# Altium PCB Base PCB.PcbDoc (part 1 of 2)
Units mm, origin at the board's own origin, x right, y up, seen from the top; angles counter-clockwise.
Board outline 85.05 x 98.92 mm, 4 copper layers (Top Layer, Middle Layer 1, Middle Layer 2, Bottom Layer), stack 0.603 mm thick; 150 components, 101 nets, 424 pads, 161 vias.
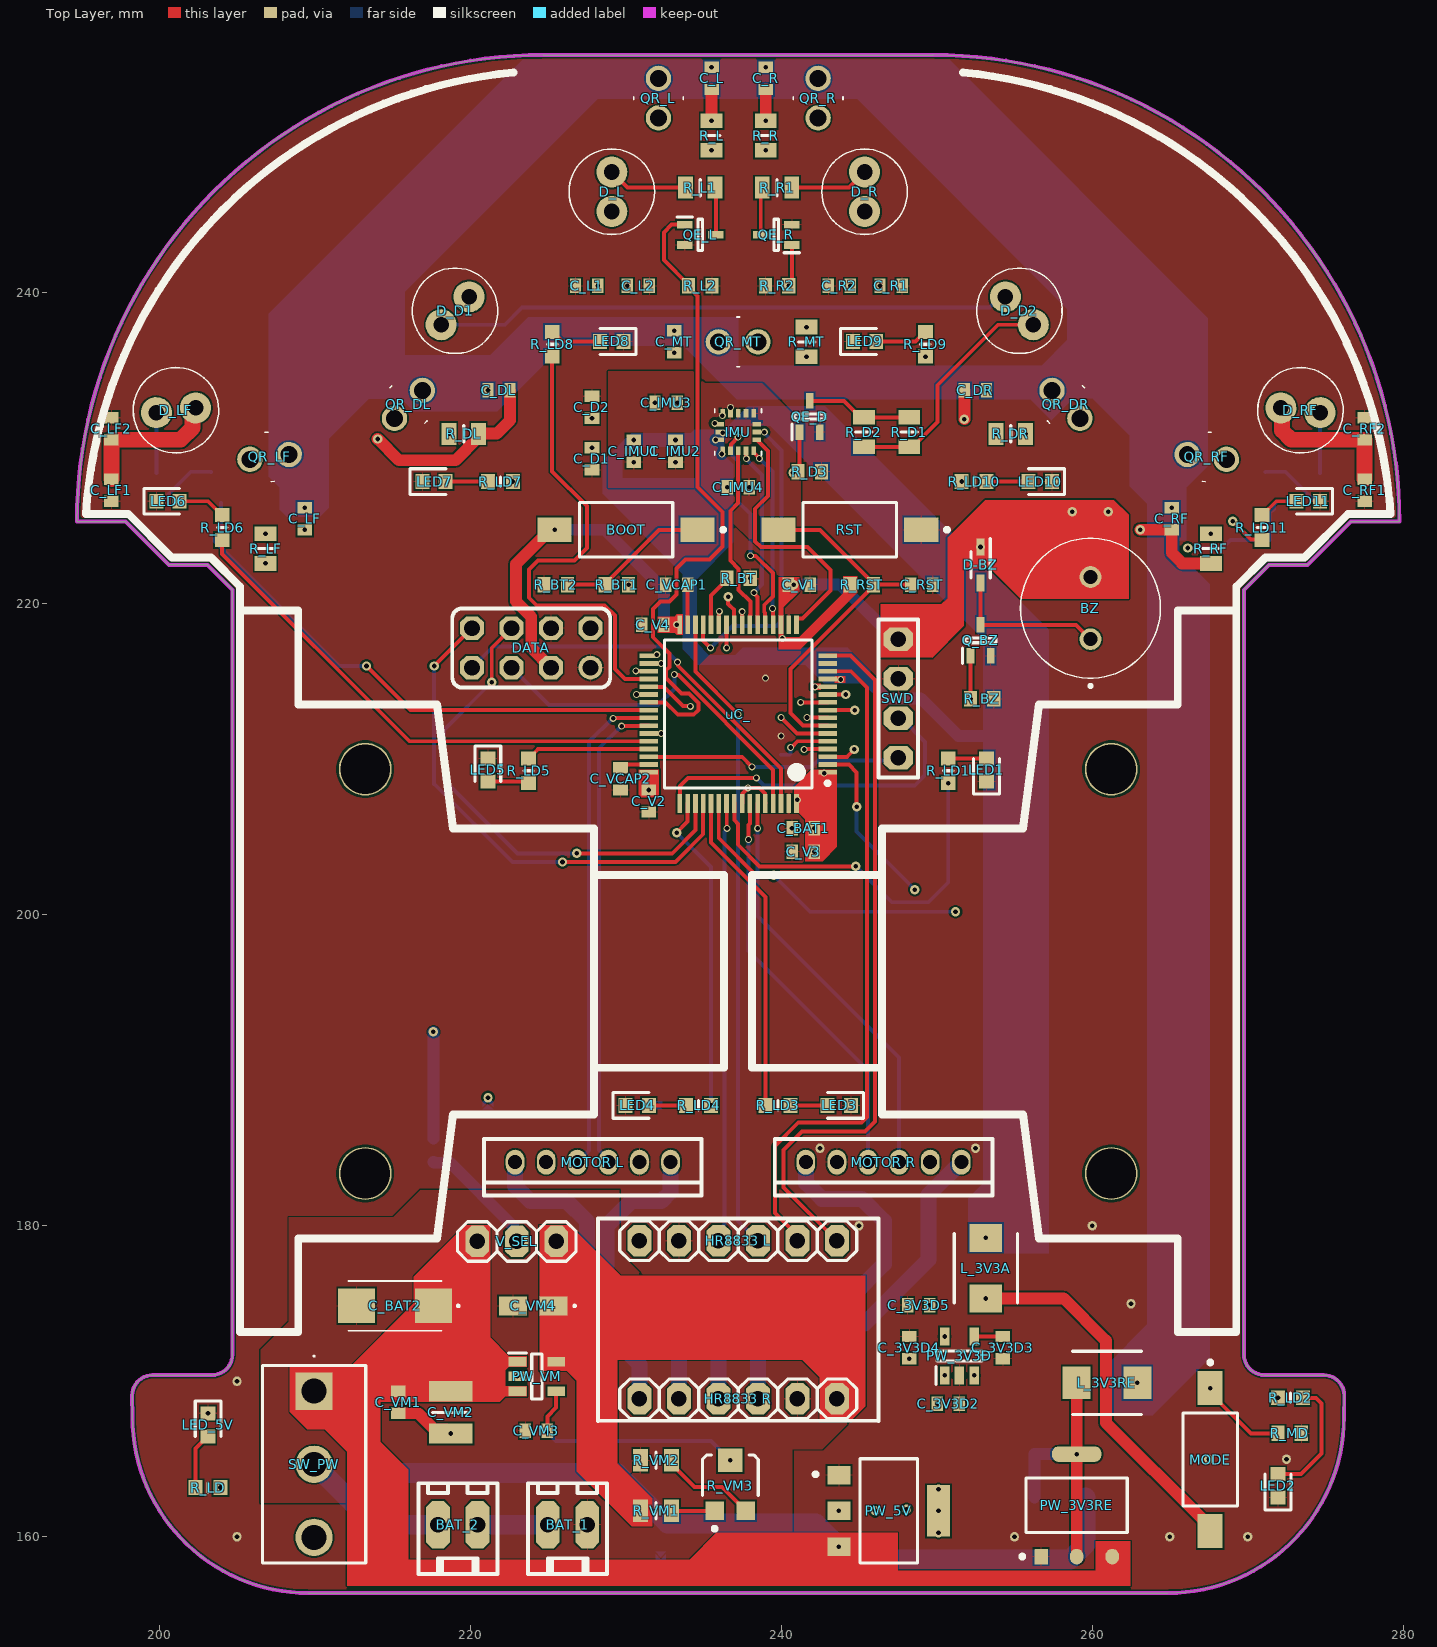
[diagram p0: Top Layer view]
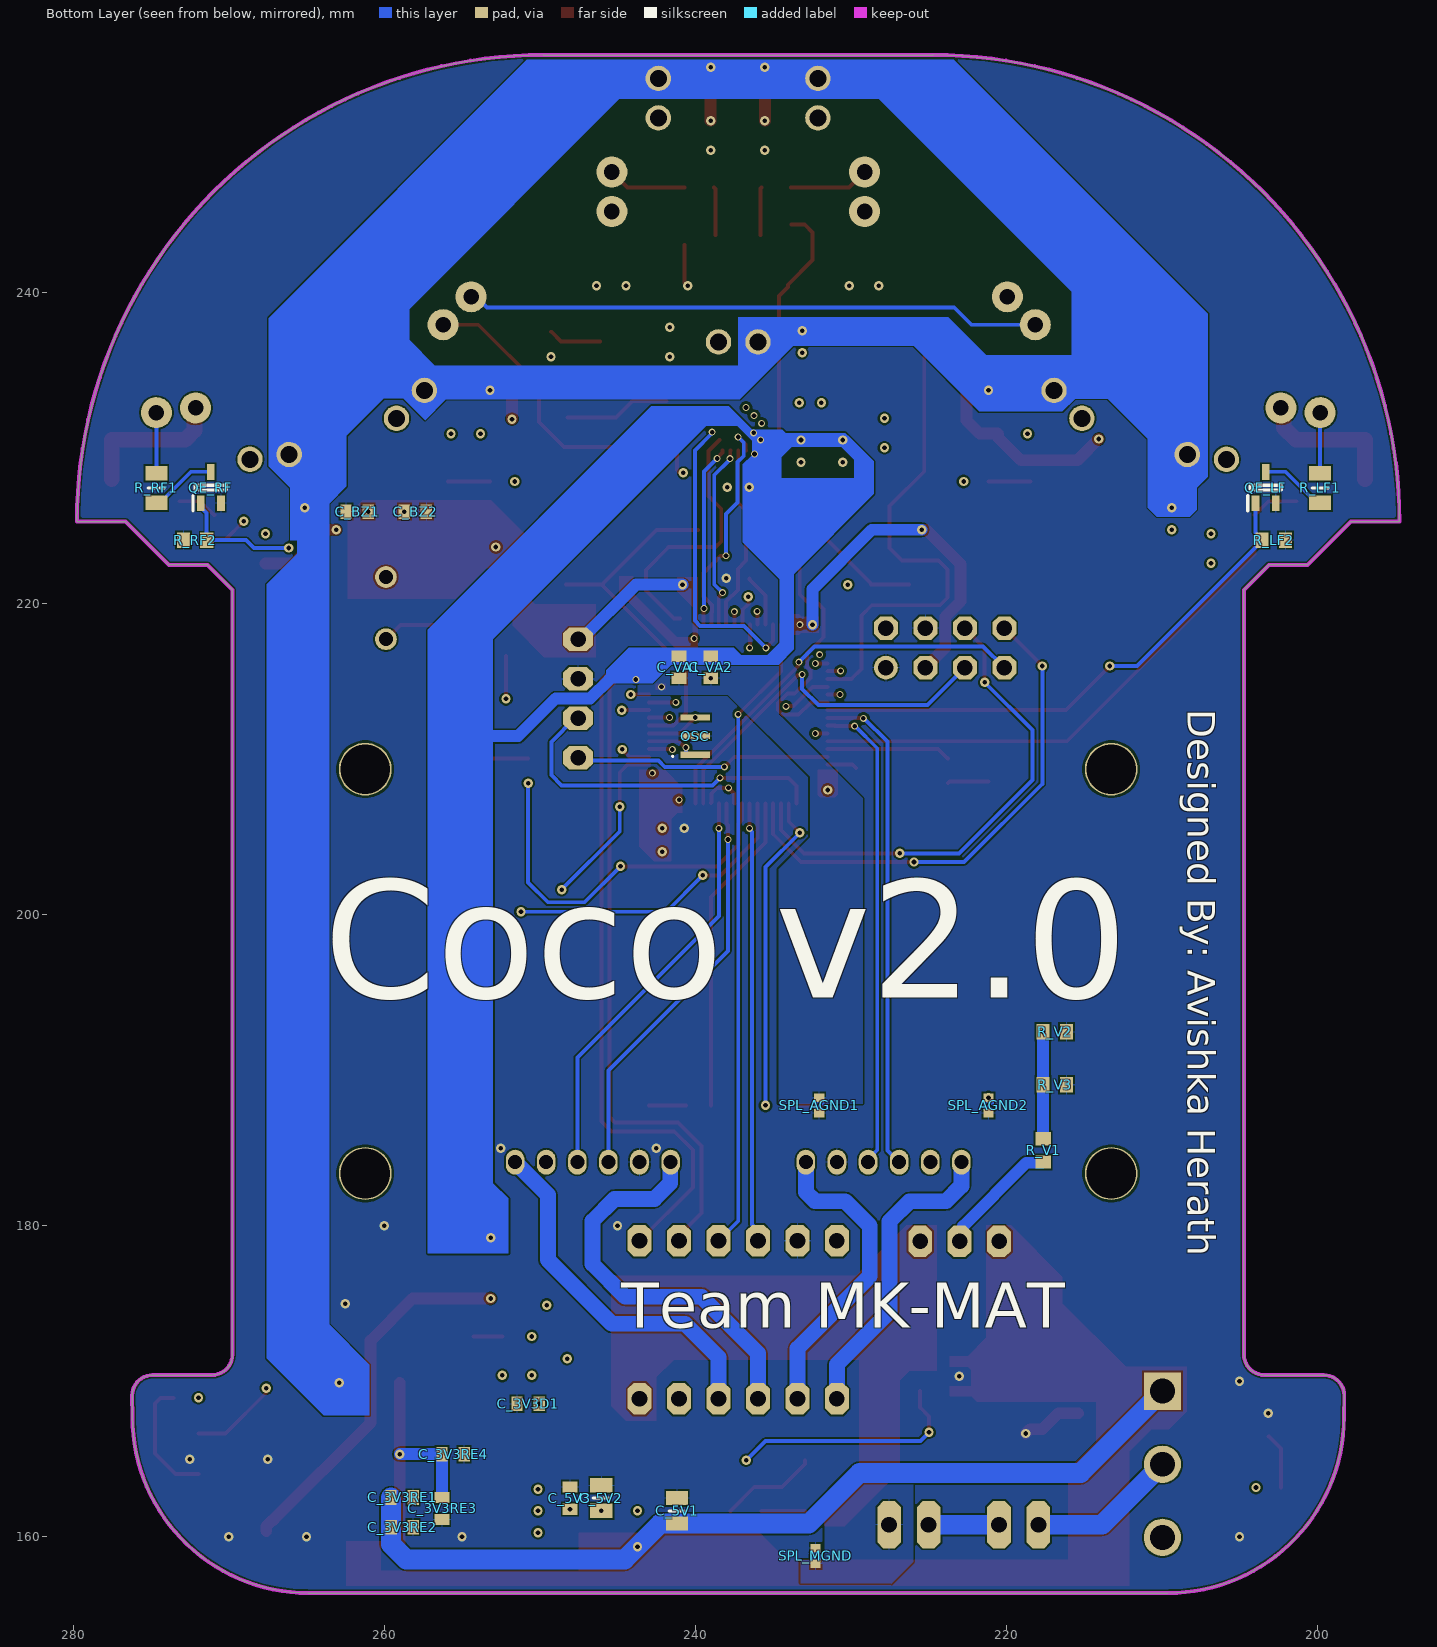
[diagram p1: Bottom Layer view, seen from below]
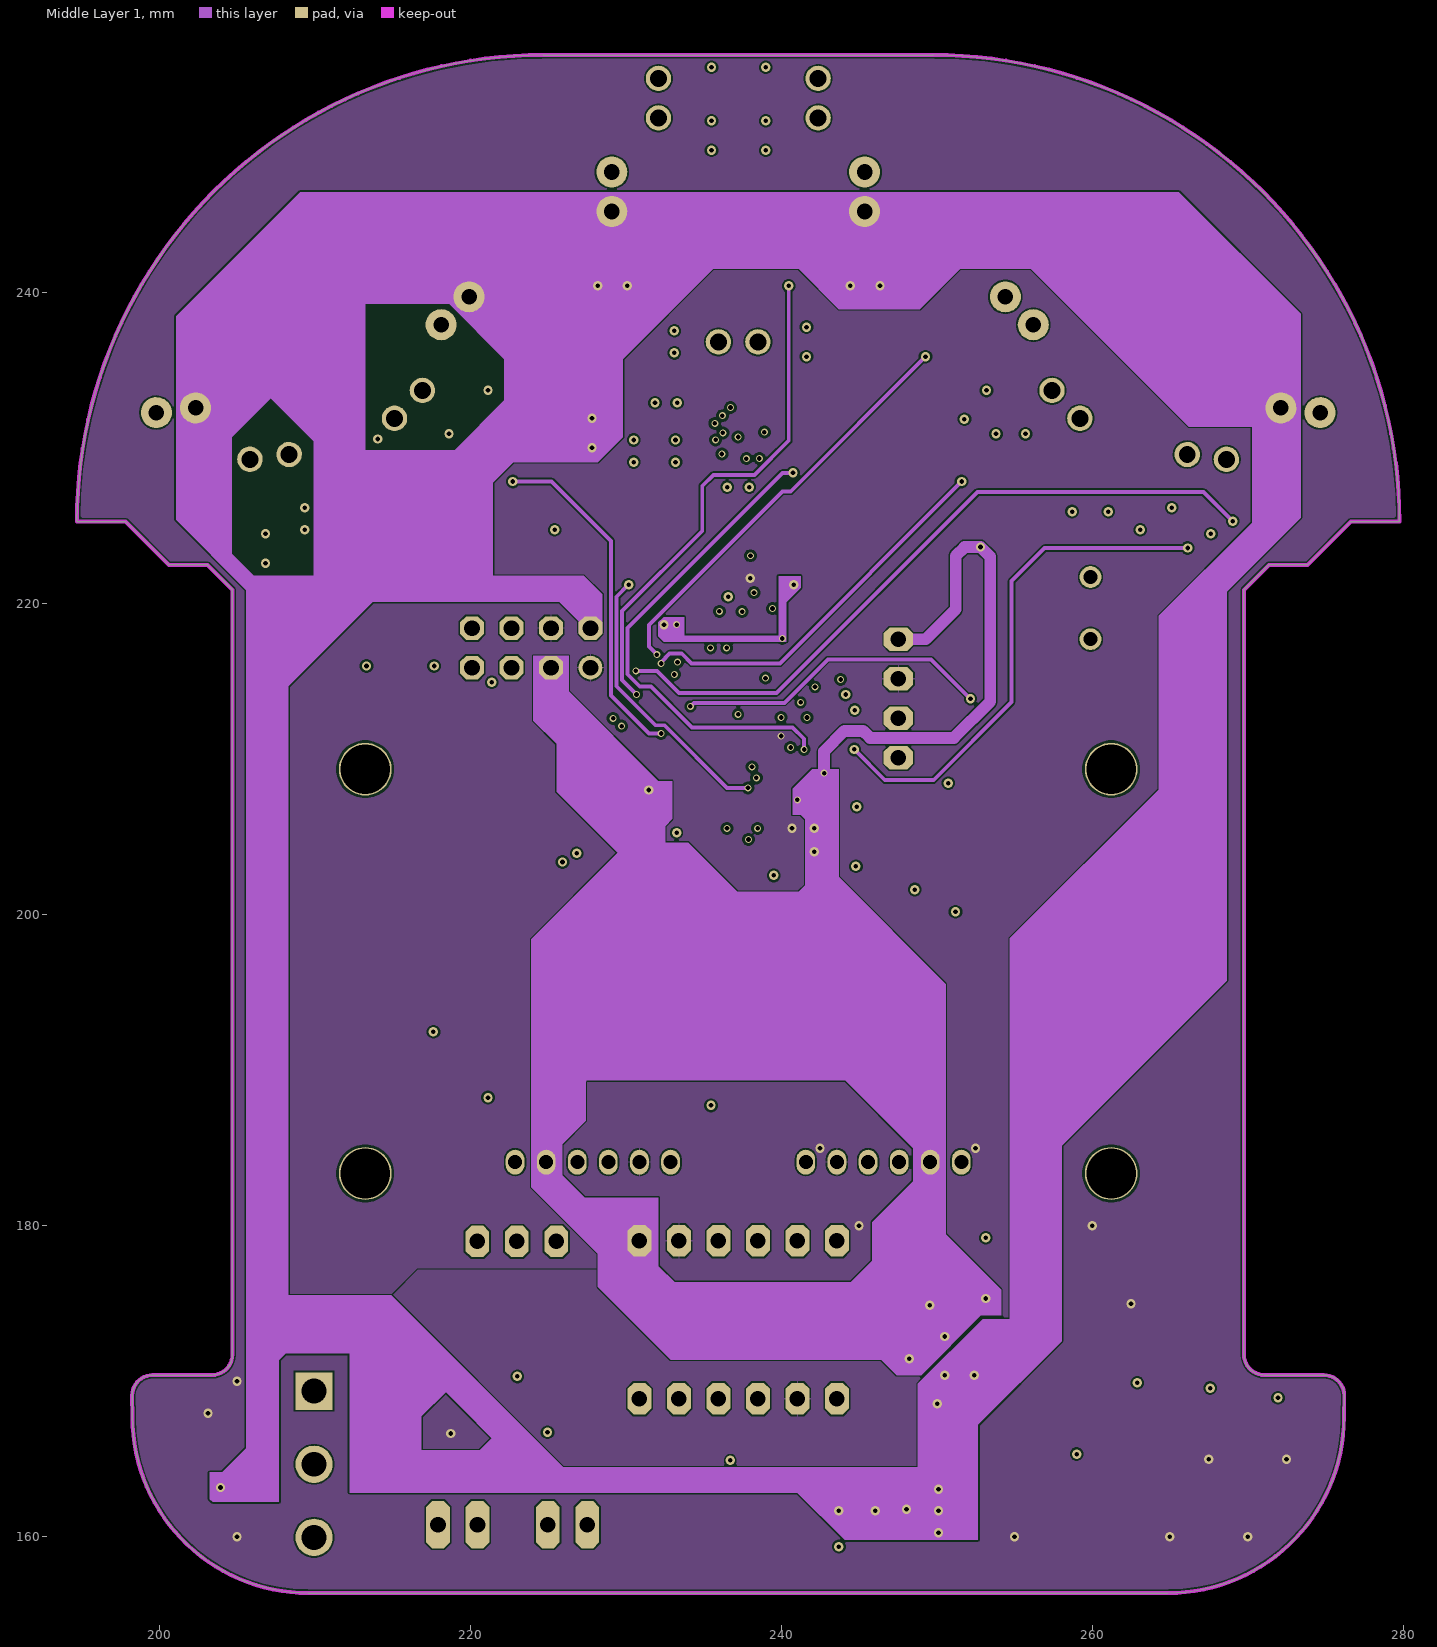
[diagram p2: Middle Layer 1]
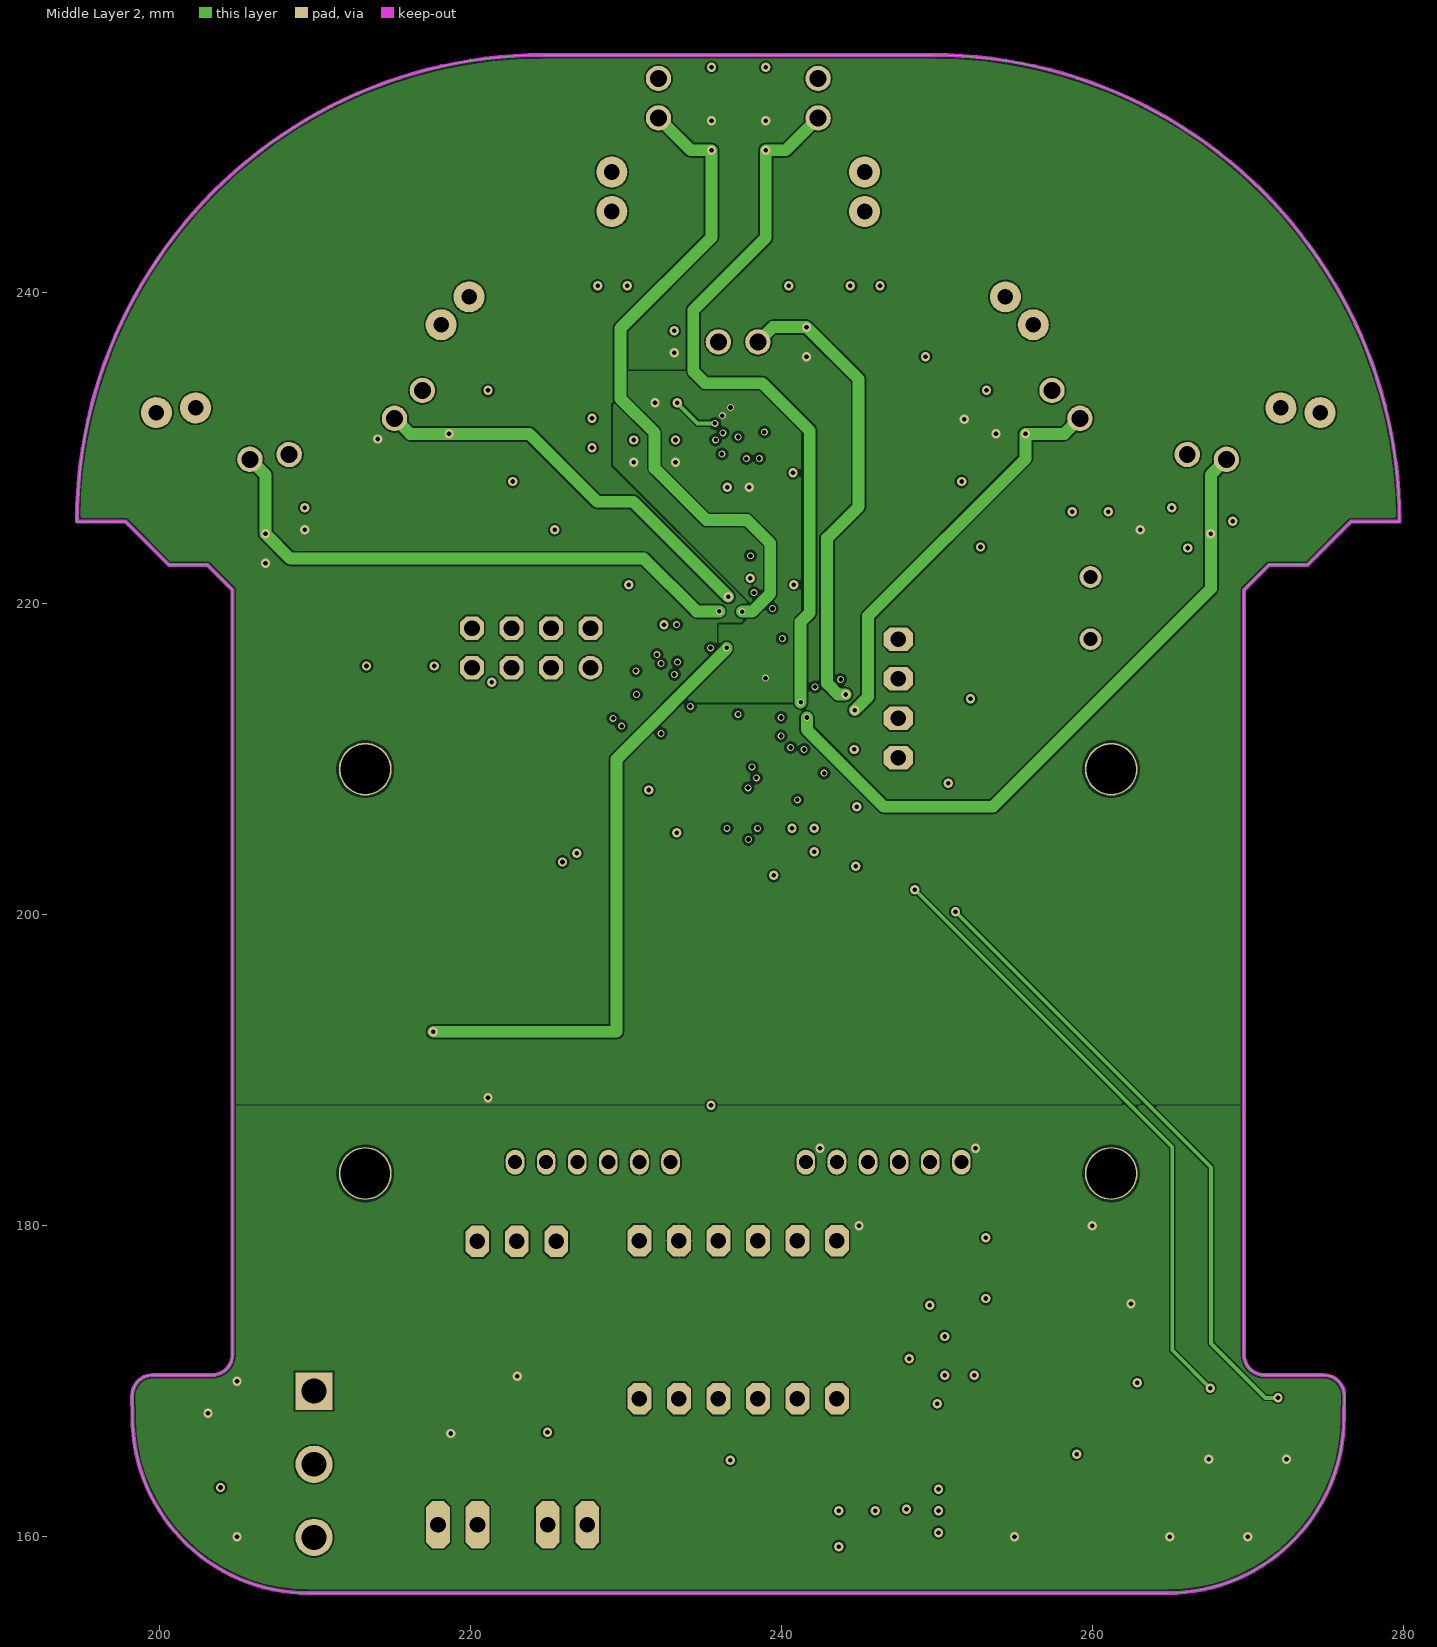
[diagram p3: Middle Layer 2]

## Layer stack, top to bottom
Top Solder: solder mask 0.0102, Solder Resist, Dk 3.5
Top Layer: signal copper 0.0356
Dielectric 2: prepreg 0.0711, PP-006, Dk 4.1
Middle Layer 1: signal copper 0.035
Dielectric 1: dielectric 0.32, FR-4, Dk 4.8
Middle Layer 2: signal copper 0.035
Dielectric 3: prepreg 0.0711, PP-006, Dk 4.1
Bottom Layer: signal copper 0.0356
Bottom Solder: solder mask 0.0102, Solder Resist, Dk 3.5

## Board outline
198.278,167.71 198.261,169.088 cw(c199.582,169.088) 199.582,170.409 203.392,170.409 ccw(c203.392,171.729) 204.712,171.729 204.711,171.729 204.711,220.905 203.112,222.504 200.623,222.504 197.829,225.298 194.716,225.298 194.711,225.303 cw(c224.711,225.303) 224.711,255.303 224.688,255.295 249.786,255.295 249.763,255.303 cw(c249.763,225.303) 279.763,225.303 279.758,225.298 276.645,225.298 273.851,222.504 271.362,222.504 269.763,220.905 269.763,171.729 269.762,171.729 ccw(c271.083,171.729) 271.083,170.409 274.893,170.409 cw(c274.893,169.088) 276.213,169.088 276.196,167.71 cw(c264.873,167.71) 264.873,156.388 237.237,156.388 209.601,156.388 cw(c209.601,167.71)

## Design rules (kind name [scope] priority, off if disabled: settings)
BoardOutlineClearance [All] p1: gap=0.2 ignorepadtopadclearanceinfootprint=FALSE
Clearance [All] p1: gap=0.102 ignorepadtopadclearanceinfootprint=FALSE except(0.127: Arc-Via Track-Via SMDPad-Via THPad-Via Via-Via Via-Fill Via-Poly Via-Region Via-Text; 0.25: Arc-Hole Track-Hole SMDPad-Hole THPad-Hole Via-Hole Fill-Hole Poly-Hole Region-Hole Text-Hole)
ComponentClearance [All] p1: gap=0.102 collisioncheckmode=3 verticalgap=0.102 showdistances=TRUE
DiffPairsRouting [All] p1: maxlimit=0.102 minlimit=0.102 mostfreqgap=0.102 toplayer_minwidth=0.102 toplayer_maxwidth=1816.048 toplayer_prefwidth=0.102 midlayer1_minwidth=0.102 midlayer1_maxwidth=1816.048 midlayer1_prefwidth=0.102 midlayer2_minwidth=0.102 midlayer2_maxwidth=1816.048 midlayer2_prefwidth=0.102 bottomlayer_minwidth=0.102 bottomlayer_maxwidth=1816.048 bottomlayer_prefwidth=0.102 maxuncoupledlength=12.7
Height [All] p1: minheight=0 maxheight=1816.048 prefheight=12.7
HoleSize [All] p1: absolutevalues=TRUE maxlimit=6.3 minlimit=0.2 maxpercent=80.000 minpercent=20.000
HoleToHoleClearance [All] p1: gap=0.25 allowstackedmicrovias=FALSE
MinimumAnnularRing [All] p1: minimumring=0.074
MinimumSolderMaskSliver [All] p1: minsoldermaskwidth=0
PlaneClearance [All] p1: clearance=0.102
PlaneConnect PlaneConnectPowerPads [InPadClass('PowerPads')] p1: planeconnectstyle=Direct reliefexpansion=0.508 reliefentries=4 reliefconductorwidth=0.254 reliefairgap=0.254
PlaneConnect [All] p2: pad.planeconnectstyle=Relief pad.reliefexpansion=0.3 pad.reliefentries=4 pad.reliefconductorwidth=0.102 pad.reliefairgap=0.102 via.planeconnectstyle=Direct via.reliefexpansion=0.3 via.reliefentries=4 via.reliefconductorwidth=0.127 via.reliefairgap=0.127
PolygonConnect PolygonConnectPowerPads [All vs (InPadClass('PowerPads'))] p1: connectstyle=Direct reliefconductorwidth=0.254 reliefentries=4 polygonreliefangle="90 Angle" airgapwidth=0.254
PolygonConnect [All] p2: thpad.connectstyle=Relief thpad.reliefconductorwidth=0.102 thpad.reliefentries=4 thpad.polygonreliefangle="90 Angle" thpad.airgapwidth=0.102 smdpad.connectstyle=Relief smdpad.reliefconductorwidth=0.102 smdpad.reliefentries=4 smdpad.polygonreliefangle="90 Angle" smdpad.airgapwidth=0.102 via.connectstyle=Direct via.reliefconductorwidth=0.127 via.reliefentries=4 via.polygonreliefangle="90 Angle" via.airgapwidth=0.127
RoutingVias [All] p1: holewidth=0.3 width=0.45 viastyle="Through Hole" minholewidth=0.3 minwidth=0.45 maxholewidth=6.3 maxwidth=6.55
SilkToSilkClearance [All] p1: silktosilkclearance=0
SilkToSolderMaskClearance [IsPad] p1: minsilkscreentomaskgap=0.102 clearancetoexposedcopper=TRUE
SolderMaskExpansion [All] p1: expansion=0.075 istentingtop=FALSE
SupplyNets "Schematic Supply Nets_12" [InNet('+VBAT')] p1: voltage=7.400
SupplyNets "Schematic Supply Nets_11" [InNet('NetBAT_2_1')] p2: voltage=7.400
SupplyNets "Schematic Supply Nets_10" [InNet('MGND')] p3: voltage=7.400
SupplyNets "Schematic Supply Nets_9" [InNet('NetBAT_1_1')] p4: voltage=7.400
SupplyNets "Schematic Supply Nets_8" [InNet('+VM')] p5: voltage=6.000
SupplyNets "Schematic Supply Nets_7" [InNet('+5V')] p6: voltage=5.000
SupplyNets "Schematic Supply Nets_6" [InNet('NetC_3V3RE3_2')] p7: voltage=3.300
SupplyNets "Schematic Supply Nets_5" [InNet('+3V3A')] p8: voltage=3.300
SupplyNets "Schematic Supply Nets_4" [InNet('+3V3D')] p9: voltage=3.300
SupplyNets "Schematic Supply Nets_3" [InNet('+3V3RE')] p10: voltage=3.300
SupplyNets "Schematic Supply Nets_2" [InNet('AGND2')] p11: voltage=0.000
SupplyNets "Schematic Supply Nets_1" [InNet('AGND1')] p12: voltage=0.000
SupplyNets "Schematic Supply Nets" [InNet('GND')] p13: voltage=0.000
Width "Schematic Width Constraint_15" [InNet('NetBAT_1_1')] p1: maxlimit=1.27 minlimit=1.27 preferedwidth=1.27
Width "Schematic Width Constraint_14" [InNet('+VBAT')] p2: maxlimit=1.27 minlimit=1.27 preferedwidth=1.27
Width "Schematic Width Constraint_13" [InNet('MGND')] p3: maxlimit=1.27 minlimit=1.27 preferedwidth=1.27
Width "Schematic Width Constraint_12" [InNet('NetBAT_2_1')] p4: maxlimit=1.27 minlimit=1.27 preferedwidth=1.27
Width "Schematic Width Constraint_11" [InNet('MOT R+')] p5: maxlimit=1.016 minlimit=1.016 preferedwidth=1.016
Width "Schematic Width Constraint_10" [InNet('MOT R-')] p6: maxlimit=1.016 minlimit=1.016 preferedwidth=1.016
Width "Schematic Width Constraint_9" [InNet('+5V')] p7: maxlimit=1.016 minlimit=1.016 preferedwidth=1.016
Width "Schematic Width Constraint_8" [InNet('+VM')] p8: maxlimit=1.016 minlimit=1.016 preferedwidth=1.016
Width "Schematic Width Constraint_7" [InNet('MOT L+')] p9: maxlimit=1.016 minlimit=1.016 preferedwidth=1.016
Width "Schematic Width Constraint_6" [InNet('MOT L-')] p10: maxlimit=1.016 minlimit=1.016 preferedwidth=1.016
Width "Schematic Width Constraint_5" [InNet('AGND2')] p11: maxlimit=0.762 minlimit=0.762 preferedwidth=0.762
Width "Schematic Width Constraint_4" [InNet('NetC_3V3RE3_2')] p12: maxlimit=0.762 minlimit=0.762 preferedwidth=0.762
Width "Schematic Width Constraint_3" [InNet('+3V3A')] p13: maxlimit=0.762 minlimit=0.762 preferedwidth=0.762
Width "Schematic Width Constraint_2" [InNet('AGND1')] p14: maxlimit=0.762 minlimit=0.762 preferedwidth=0.762
Width "Schematic Width Constraint_1" [InNet('+3V3RE')] p15: maxlimit=0.762 minlimit=0.762 preferedwidth=0.762
Width "Schematic Width Constraint" [InNet('+3V3D')] p16: maxlimit=0.762 minlimit=0.762 preferedwidth=0.762
Width [All] p17: maxlimit=1816.048 minlimit=0.102 preferedwidth=0.102
20 further rules are at their usual default settings.

## Classes and differential pairs
component class "IO Systems": BOOT BZ C_BZ1 C_BZ2 C_D1 C_D2 C_DL C_DR C_IMU1 C_IMU2 C_IMU3 C_IMU4 C_L C_L1 C_L2 C_LF C_LF1 C_LF2 C_MT C_R C_R1 C_R2 C_RF C_RF1 C_RF2 C_RST D-BZ D_D1 D_D2 D_L D_LF D_R D_RF DATA IMU LED1 LED2 LED3 LED4 LED5 LED6 LED7 LED8 LED9 LED10 LED11 MODE Q_BZ QE_D QE_L QE_LF QE_R QE_RF QR_DL QR_DR QR_L QR_LF QR_MT QR_R QR_RF R_BT1 R_BT2 R_BZ R_D1 R_D2 R_D3 R_DL R_DR R_L R_L1 R_L2 R_LD1 R_LD2 R_LD3 R_LD4 R_LD5 R_LD6 R_LD7 R_LD8 R_LD9 R_LD10 R_LD11 R_LF R_LF1 R_LF2 R_MD R_MT R_R R_R1 R_R2 R_RF R_RF1 R_RF2 R_RST RST
component class "Control Unit and Power": BAT_1 BAT_2 C_3V3D1 C_3V3D2 C_3V3D3 C_3V3D4 C_3V3D5 C_3V3RE1 C_3V3RE2 C_3V3RE3 C_3V3RE4 C_5V1 C_5V2 C_5V3 C_BAT1 C_BAT2 C_V1 C_V2 C_V3 C_V4 C_VA1 C_VA2 C_VCAP1 C_VCAP2 C_VM1 C_VM2 C_VM3 C_VM4 "HR8833 L" "HR8833 R" L_3V3A L_3V3RE LED_5V "MOTOR L" "MOTOR R" OSC PW_3V3D PW_3V3RE PW_5V PW_VM R_BT R_LD R_V1 R_V2 R_V3 R_VM1 R_VM2 R_VM3 SPL_AGND1 SPL_AGND2 SPL_MGND SW_PW SWD uC_ V_SEL

## Components (designator, comment, footprint, x,y, rotation, side; value= is the part's Value field where it differs from the comment)
BAT_1 "Header 2" MY_6410-02 226.263,160.782 r180 top
BAT_2 "Header 2" MY_6410-02 219.202,160.782 r180 top
BOOT "TS-1101-C-W" TECO-FSMSM-2_V 230.026,224.766 r180 top